# Altium PCB LimeKEY-RPCM_1v1.PcbDoc (part 4 of 8)
Units mm, origin at the board's own origin, x right, y up, seen from the top; angles counter-clockwise.
Board outline 170 x 110 mm, 6 copper layers (Top, L2, L3, L4, L5, Bottom), stack 1.583 mm thick; 724 components, 437 nets, 3151 pads, 1373 vias.
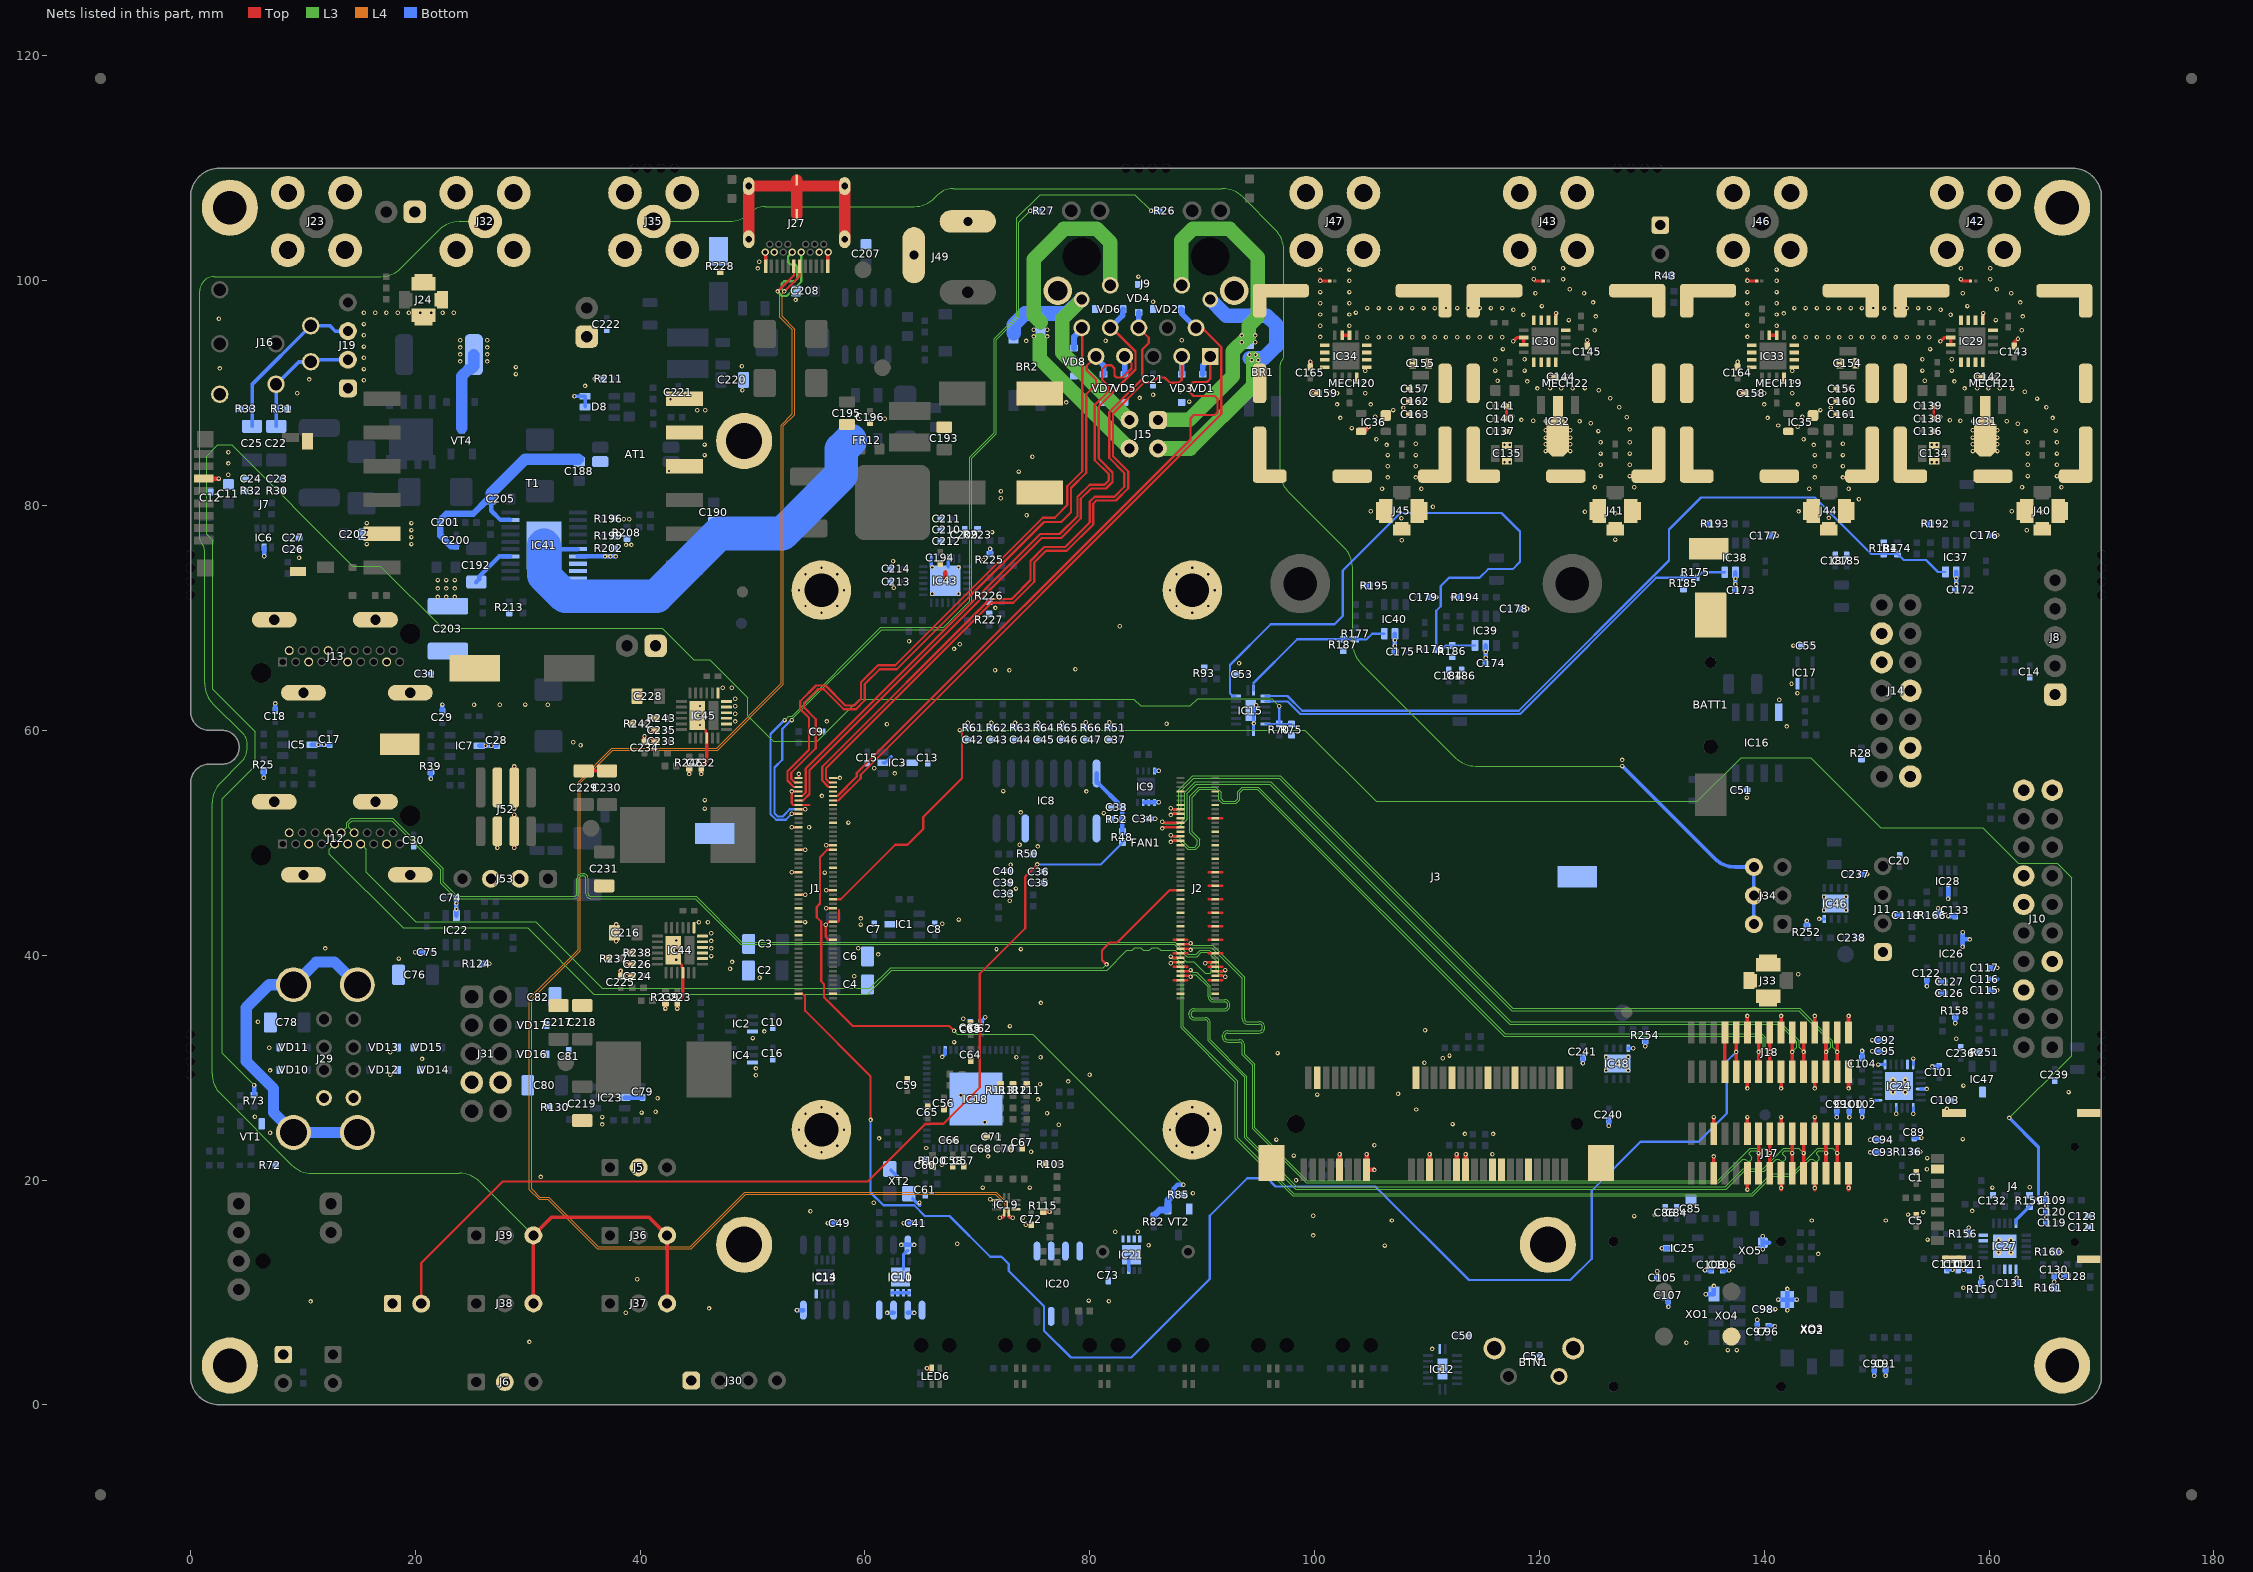
[diagram p8: the nets of this part, all layers, seen from the top]

## Part data (continued)
VT3: library part FDMS86250_NMOS, "MOSFET FET 150V 25.0 MOHM PQFN56", Continuous Drain Current (ID)=6.7A, Drain to Source Breakdown Voltage=150V, Drain to Source Resistance=33mR, Gate to Source Voltage (Vgs)=20V, Input Capacitance=2.33nF, Manufacturer="ON Semiconductor / Fairchild", Max Operating Temperature=150°C, Max Power Dissipation=2.5W, Min Operating Temperature=-55°C, Package Quantity=3000, Power Dissipation=96W, Supplier Part Number 1=512-FDMS86250, ComponentLink1Description=https://datasheet.ciiva.com/15043/fdms86250-15043510.pdf?src-supplier=Digi-Key, ComponentLink1URL=https://datasheet.ciiva.com/15043/fdms86250-15043510.pdf?src-supplier=Digi-Key, ComponentLink2Description=https://datasheet.ciiva.com/4440/fdms86250-103923-4440671.pdf?src-supplier=Mouser, ComponentLink2URL=https://datasheet.ciiva.com/4440/fdms86250-103923-4440671.pdf?src-supplier=Mouser, ComponentLink3Description=https://datasheet.ciiva.com/15043/fdms86250-15043511.pdf?src-supplier=Digi-Key, ComponentLink3URL=https://datasheet.ciiva.com/15043/fdms86250-15043511.pdf?src-supplier=Digi-Key, ComponentLink4Description=https://datasheet.ciiva.com/15043/fdms86250-15043512.pdf?src-supplier=Digi-Key, ComponentLink4URL=https://datasheet.ciiva.com/15043/fdms86250-15043512.pdf?src-supplier=Digi-Key, Drain to Source Voltage (Vdss)=150V, Element Configuration=Single, Fall Time=4.2ns, Height=1.05mm, Lead Free="Lead Free", Length=5mm, Manufacturer Part Number=FDMS86250, Manufacturer Part Number 1=FDMS86250, Mount="Surface Mount", Number of Elements=1, Number of Pins=8, Packaging="Tape and Reel", Part Description="MOSFET FET 150V 25.0 MOHM PQFN56", Pricing 1="1=2,77000, 10=2,50000, 50=2,36000, 100=2,01000, 1000=1,37000, 10000=1,32000 (USD)", Radiation Hardening=No, Rds On Max=25mR, Rise Time=4.3ns, RoHS=Yes, Stock 1=2961, Supplier 1=Mouser, Turn-Off Delay Time=22ns, Turn-On Delay Time=14ns, Weight=0.0681g, Width=6mm
VT4: library part BFT92,215_PNP, Case/Package=TO-236AB, Collector Base Voltage (VCBO)=20V, Collector Emitter Breakdown Voltage=15V, Continuous Collector Current=-25mA, Emitter Base Voltage (VEBO)=2V, Frequency=5GHz, Manufacturer="NXP Semiconductors", Manufacturer Part Number=BFT92215, Max Collector Current=25mA, Max Operating Temperature=175°C, Max Power Dissipation=300mW, Min Operating Temperature=-65°C, Package Quantity=1, Supplier Part Number 1=568-1655-1-ND, Collector Emitter Voltage (VCEO)=15V, ComponentLink1Description=https://datasheet.ciiva.com/29696/1323776-29696333.pdf?src-supplier=Jameco, ComponentLink1URL=https://datasheet.ciiva.com/29696/1323776-29696333.pdf?src-supplier=Jameco, ComponentLink2Description=https://datasheet.ciiva.com/965/bft92-cnv-965053.pdf?src-supplier=Digi-Key, ComponentLink2URL=https://datasheet.ciiva.com/965/bft92-cnv-965053.pdf?src-supplier=Digi-Key, ComponentLink3Description=https://datasheet.ciiva.com/6362/bft92-cnv-6362733.pdf?src-supplier=Digi-Key, ComponentLink3URL=https://datasheet.ciiva.com/6362/bft92-cnv-6362733.pdf?src-supplier=Digi-Key, ComponentLink4Description=https://datasheet.ciiva.com/965/bft92-cnv-965054.pdf?src-supplier=Digi-Key, ComponentLink4URL=https://datasheet.ciiva.com/965/bft92-cnv-965054.pdf?src-supplier=Digi-Key, ComponentLink5Description=https://datasheet.ciiva.com/16221/bft92-cnv-16221865.pdf?src-supplier=Future+Electronics, ComponentLink5URL=https://datasheet.ciiva.com/16221/bft92-cnv-16221865.pdf?src-supplier=Future+Electronics, ComponentLink6Description=https://datasheet.ciiva.com/11198/bft92-cnv-11198214.pdf?src-supplier=Avnet, ComponentLink6URL=https://datasheet.ciiva.com/11198/bft92-cnv-11198214.pdf?src-supplier=Avnet, ComponentLink7Description=https://datasheet.ciiva.com/11204/bft92-cnv-11204747.pdf?src-supplier=Avnet, ComponentLink7URL=https://datasheet.ciiva.com/11204/bft92-cnv-11204747.pdf?src-supplier=Avnet, ComponentLink8Description=https://datasheet.ciiva.com/11204/bft92-cnv-11204828.pdf?src-supplier=Avnet, ComponentLink8URL=https://datasheet.ciiva.com/11204/bft92-cnv-11204828.pdf?src-supplier=Avnet, Contact Plating=Tin, Element Configuration=Single, Gain=18dB, Gain Bandwidth Product=5GHz, Height=1mm, hFE Min=50, Lead Free="Lead Free", Length=3mm, Manufacturer Part Number 1=BFT92215, Max Breakdown Voltage=15V, Max Frequency=5GHz, Mount="Surface Mount", Number of Elements=1, Number of Pins=3, Output Power=300mW, Packaging="Tape and Reel", Part Description="RF TRANS PNP 15V 5GHZ TO236AB", Polarity=PNP, Power Dissipation=300mW, Radiation Hardening=No, REACH SVHC="No SVHC", RoHS=Yes, Series=-, Stock 1=0, Supplier 1=Digi-Key, Transition Frequency=5GHz, Weight=0.00709oz, Width=1.4mm
XO1: library part AOCJYR-10.000MHz, Frequency Nom, MHz=30.72, Frequency Stability +/-, ppb=20, Manufacturer=Rakon, Oscillator Case="SMD, 9.7mm x 7.5", Supplier Part Number 1=U7475LF, Supply Voltage Nom=3.3, Manufacturer Part Number 1="U7475LF 30.72MHz", Oscillator Output Compatibility=CMOS, Part Description="ROM9070SA 30.72MHz MERC+ 9x7 HOT RC2.5 3.3V PULL", Supplier 1=Rakon
XO2: library part RPT7050A, Manufacturer=Rakon, Manufacturer Part Number 1=E6245LF, Assembly Info=NF, Part Description="TCXO 30.72MHz, E6245LF", Supplier 1=Rakon, Supplier Part Number 1=E6245LF
XO3: library part TXCO, Manufacturer=Rakon, Manufacturer Part Number 1=E5280LF, Assembly Info=NF, Part Description="TCXO 30.72MHz, E5280LF", Supplier 1=Rakon, Supplier Part Number 1=E5280LF
XO4: library part Rakon_RTX5032A, Manufacturer=Rakon, Manufacturer Part Number 1=RTX5032A, Assembly Info=NF, Part Description="RTX5032A 40MHz, High performance TCXO, With VC, Filter Enabled, 10-pin 5mm x 3.2 mm x 1.65 mm package", Supplier 1=RAKON, Supplier Part Number 1=RTX5032A
XO5: library part ASVTX-12-A-38.400MHZ-H10-T_CRYSTAL, "Oscillator Crystal", Case/Package=SMD/SMT, Frequency=38.4MHz, Frequency Stability=1ppm, Manufacturer=Abracon, Manufacturer Part Number 1=ASVTX-12-A-38.400MHZ-H10-T, Max Operating Temperature=85°C, Max Supply Current=2.5mA, Min Operating Temperature=-30°C, Operating Supply Voltage=3V, Package Quantity=1000, Supplier Part Number 1=535-11790-1-ND, Assembly Info=NF, ComponentLink1Description=https://datasheet.ciiva.com/5466/astx12-asvtx12-8609-5466673.pdf?src-supplier=Mouser, ComponentLink1URL=https://datasheet.ciiva.com/5466/astx12-asvtx12-8609-5466673.pdf?src-supplier=Mouser, ComponentLink2Description=https://datasheet.ciiva.com/867/astx12-asvtx12-867453.pdf?src-supplier=Digi-Key, ComponentLink2URL=https://datasheet.ciiva.com/867/astx12-asvtx12-867453.pdf?src-supplier=Digi-Key, ComponentLink3Description=https://datasheet.ciiva.com/867/astx12-asvtx12-867454.pdf?src-supplier=Digi-Key, ComponentLink3URL=https://datasheet.ciiva.com/867/astx12-asvtx12-867454.pdf?src-supplier=Digi-Key, ComponentLink4Description=https://datasheet.ciiva.com/867/astx12-asvtx12-867455.pdf?src-supplier=Digi-Key, ComponentLink4URL=https://datasheet.ciiva.com/867/astx12-asvtx12-867455.pdf?src-supplier=Digi-Key, Height=0.035inch, Length=0.098inch, Mount="Surface Mount", Packaging="Tape and Reel", Part Description="38.4MHz VCTCXO Clipped Sine Wave Oscillator 3V  4-SMD, No Lead", Pricing 1="1 = 3,58000, 10 = 3,41000, 50 = 3,23960, 100 = 2,89850, 500 = 2,72800 (USD)", RoHS=Yes, Stock 1=1680, Supplier 1=Digi-Key, Termination=SMD/SMT, Width=0.079inch
XT1: library part CRYSTAL_2PIN_RTC_RT3215, Manufacturer="Raltron Electronics", Manufacturer Part Number 1=RT3215-32.768-12.5-TR-10PPM, Supplier Part Number 1=2151-RT3215-32.768-12.5-TR-10PPMTR-ND, ComponentLink1Description=https://datasheet.octopart.com/RT3215-32.768-12.5-TR-10PPM-Raltron-Electronics-datasheet-12522443.pdf?src-supplier=Future+Electronics, ComponentLink1URL=https://datasheet.octopart.com/RT3215-32.768-12.5-TR-10PPM-Raltron-Electronics-datasheet-12522443.pdf?src-supplier=Future+Electronics, ComponentLink2Description=https://datasheet.octopart.com/RT3215-32.768-12.5-TR-10PPM-Raltron-Electronics-datasheet-62112304.pdf?src-supplier=Future+Electronics, ComponentLink2URL=https://datasheet.octopart.com/RT3215-32.768-12.5-TR-10PPM-Raltron-Electronics-datasheet-62112304.pdf?src-supplier=Future+Electronics, ComponentLink3Description=https://datasheet.octopart.com/RT3215-32.768-12.5-TR-10PPM-Raltron-Electronics-datasheet-82614827.pdf?src-supplier=Future+Electronics, ComponentLink3URL=https://datasheet.octopart.com/RT3215-32.768-12.5-TR-10PPM-Raltron-Electronics-datasheet-82614827.pdf?src-supplier=Future+Electronics, Lead Free="Lead Free", Part Description="32.768 kHz ±10ppm Crystal 12.5pF 70 kOhms 2-SMD, No Lead", Pricing 1="3000=0,39875, 6000=0,38500, 15000=0,37125 (USD)", RoHS Compliant=Yes, Stock 1=21000, Supplier 1=Digi-Key
XT2: library part CRYSTAL_19M2, "Oscillator Crystal 25 MHz", Manufacturer=Abracon, Manufacturer Part Number 1=ABM8-24.000MHZ-D1G-T, Supplier Part Number 1=535-14395-1-ND, ComponentLink1Description=https://abracon.com/Resonators/abm8.pdf?src-supplier=Digi-Key, ComponentLink1URL=https://abracon.com/Resonators/abm8.pdf?src-supplier=Digi-Key, Part Description="24 MHz ±10ppm Crystal 18pF 50 Ohms 4-SMD, No Lead", Pricing 1="1=0,47000, 10=0,39100, 50=0,35220, 100=0,31310, 500=0,29744 (USD)", RoHS=Yes, RoHS Compliant=Yes, Stock 1=15503, Supplier 1=Digi-Key

## Free pads (board coordinates)
  round 0.8 hole 0.8 unplated: 0(0,29.375) 0(0,30.55) 0(0,31.75) 0(0,32.95) 0(0,72.05) 0(0,73.25) 0(0,74.45) 0(0,75.625) 0(39.475,110) 0(40.65,110) 0(41.85,110) 0(43.05,110) 0(83.212,110) 0(84.387,110) 0(85.587,110) 0(86.788,110) 0(126.95,110) 0(128.15,110) 0(129.35,110) 0(130.525,110) 0(170,29.375) 0(170,30.55) 0(170,31.75) 0(170,32.95) 0(170,72.05) 0(170,73.25) 0(170,74.45) 0(170,75.625)
  round 5.3 hole 3 mask+0.05: 1(56.125,24.475) 1(56.125,72.475) 1(89.125,24.475) 1(89.125,72.475)

## Via types
v1: diameter 0.4, hole 0.2, Top to Bottom, tented both sides, 1353 vias
v2: diameter 0.5, hole 0.2, Top to Bottom, tented both sides, 20 vias

## Nets (pads, with @x,y where several pads share a name; then routed paths per layer and width w, separated by ;. In a path a pad name is that pad's centre, name@x,y a point inside that pad or via, vN(x,y) a via of type N, cw(c..) or ccw(c..) an arc to the next point about the centre after c; other vN are vias at no path point)
ADC_USR: J20.2 R48.1 | length 90.1
  Top w0.2: J20.2@20.52,9 20.52,12.62 27.775,19.875 60.25,19.875 65.375,25 66.975,25 70.2,28.225 70.2,38.35 74.25,42.4 74.25,47 v1(75.325,48.075)
  Bottom w0.2: v1(75.325,48.075) 80.975,48.075 R48.1@82.9,50
ADC_USR_DIV: C38.1 IC8.8 R48.2 R52.1 | length 6.2
  Bottom w0.4: IC8.8@80.603,56.177 80.603,55.358 80.692,55.358 82.8,53.25 82.8,53.2 82.85,53.15 C38.1@82.9,53.15 R52.1@82.9,52.1 R48.2@82.9,51
ADF_MUXOUT: IC27.15 J1.56 R159.1 | length 163.4
  Top w0.2: J1.56@57.165,44.975 57.851,44.975 62.701,49.825 63.774,49.825 65.175,51.226 65.175,52.299 68.625,55.749 68.625,59.825 v1(68.425,60.025)
  L3 w0.1: v1(68.425,60.025) 99.142,60.025 105.467,53.7 134.059,53.7 137.934,57.575 144.119,57.575 150.344,51.35 155.809,51.35 159.45,51.35 162.6,48.2 166.05,48.2 167.35,46.9 167.35,31.075 v1(161.8,25.525)
  Bottom w0.3: v1(161.8,25.525) 164.4,22.925 164.4,18.45 R159.1@163.6,17.65 162.4,16.45 IC27.15@162.4,16.15
AUDIO_L: C22.1 J16.2 J16.5 J19.2 R31.1 | length 11
  Bottom w0.325: C22.1@7.625,87.05 R31.1@7.625,88.6 7.625,90.775 9.628,92.778 10.678,92.778 J16.5@10.7,92.8 10.879,92.979 J19.2@14,92.979
AUDIO_R: C25.1 J16.3 J19.3 R33.2 | length 14.6
  Bottom w0.325: C25.1@5.475,87.05 5.475,90.775 J16.3@10.7,96 12.4,96 12.879,95.521 J19.3@14,95.521
BUZZER: J1.34 R82.1 R85.1 VT2.G | length 57.8
  Top w0.2: J1.34@57.165,49.375 56.65,49.375 55.995,48.72 55.995,44.595 55.7,44.3 55.7,43.375 56.1,42.975 56.1,37.674 56.35,37.424 56.35,36.257 58.907,33.7 67.5,33.7 v1(67.925,33.275)
  L3 w0.1: v1(67.925,33.275) 68.225,32.975 74.925,32.975 v1(88.325,19.575)
  Bottom w0.4: R85.1@87.41,18.69 87.41,19.185 87.8,19.575 v1(88.325,19.575)
  Bottom w0.6: R82.1@85.685,16.79 86.224,17.329 86.9,17.329 86.953,17.383 86.953,18.233 R85.1@87.41,18.69
CAM1_CLK_N: J2.27 J18.8 | length 75.8
  Top w0.2: v1(87.2,50.675) 87.3,50.575 J2.27@88.085,50.575
  Top w0.325: J18.8@140.5,29.625 v1(140.5,31.4) J18.8@140.5,33.125
  L3 w0.1: v1@87.209,50.675 87.409,50.475 87.933,50.475 88.783,49.625 89.325,49.625 89.575,49.875 89.575,50.225 88.9,50.9 88.9,54.158 89.692,54.95 91.208,54.95 91.675,54.483 91.675,53.908 91.883,53.7 92.925,53.7 93.15,53.925 93.15,54.55 93.55,54.95 95,54.95 116.95,33 139.8,33 140.1,32.7 140.1,31.8 v1(140.5,31.4)
CAM1_CLK_P: J2.29 J18.9 | length 75.5
  Top w0.2: v1(87.2,50.075) 87.3,50.175 J2.29@88.085,50.175
  Top w0.325: J18.9@139.5,29.625 v1(139.5,31.4) J18.9@139.5,33.125
  L3 w0.1: v1@87.209,50.075 87.409,50.275 87.85,50.275 88.7,49.425 89.408,49.425 89.775,49.792 89.775,50.308 89.1,50.983 89.1,54.075 89.775,54.75 91.125,54.75 91.475,54.4 91.475,53.825 91.8,53.5 93.008,53.5 93.35,53.842 93.35,54.467 93.633,54.75 94.917,54.75 99.907,49.76 116.867,32.8 139.717,32.8 139.9,32.617 139.9,31.8 v1(139.5,31.4)
CAM1_D0_N: J2.15 J18.2 | length 76.5
  Top w0.2: v1(87.2,53.075) 87.3,52.975 J2.15@88.085,52.975
  Top w0.325: J18.2@146.5,29.625 v1(146.5,31.4) J18.2@146.5,33.125
  L3 w0.1: v1@87.209,53.075 87.409,52.875 87.725,52.875 87.925,53.075 87.925,54.725 89.15,55.95 96.935,55.95 117.61,35.275 143.175,35.275 146.1,32.35 146.1,31.8 v1(146.5,31.4)
CAM1_D0_P: J2.17 J18.3 | length 76.2
  Top w0.2: v1(87.2,52.475) 87.3,52.575 J2.17@88.085,52.575
  Top w0.325: J18.3@145.5,29.625 v1(145.5,31.4) J18.3@145.5,33.125
  L3 w0.1: v1@87.209,52.475 87.409,52.675 87.808,52.675 88.125,52.992 88.125,54.642 89.233,55.75 96.852,55.75 117.527,35.075 143.092,35.075 145.9,32.267 145.9,31.8 v1(145.5,31.4)
CAM1_D1_N: J2.21 J18.5 | length 75.5
  Top w0.2: v1(86.45,51.875) 86.55,51.775 J2.21@88.085,51.775
  Top w0.325: J18.5@143.5,29.625 v1(143.5,31.4) J18.5@143.5,33.125
  L3 w0.1: v1@86.459,51.875 86.659,51.675 87.925,51.675 88.45,52.2 88.45,54.483 89.392,55.425 96.085,55.425 117.435,34.075 141.4,34.075 143.1,32.375 143.1,31.8 v1(143.5,31.4)
CAM1_D1_P: J2.23 J18.6 | length 75.1
  Top w0.2: v1(86.45,51.275) 86.55,51.375 J2.23@88.085,51.375
  Top w0.325: J18.6@142.5,29.625 v1(142.5,31.4) J18.6@142.5,33.125
  L3 w0.1: v1@86.459,51.275 86.659,51.475 88.008,51.475 88.65,52.117 88.65,52.6 88.65,54.4 89.475,55.225 96.002,55.225 117.352,33.875 141.317,33.875 142.9,32.292 142.9,31.8 v1(142.5,31.4)
CAM1_GPIO0: J1.97 J18.11 | length 137.1
  Top w0.2: J1.97@54.085,36.575 54.425,36.575 54.675,36.325 54.675,35.05 60.5,29.225 v1(60.5,25.35)
  Top w0.325: J18.11@137.5,29.625 v1(137.5,31.4) J18.11@137.5,33.125
  Bottom w0.2: v1(60.5,25.35) 60.5,18.9 61.65,17.75 64.375,17.75 65.325,16.8 67.525,16.8 71.15,13.175 72.15,13.175 72.8,12.525 72.8,11.9 75.925,8.775 75.925,6.6 78.323,4.202 83.677,4.202 90.675,11.2 90.675,16.825 94,20.15 95.8,20.15 96.525,19.425 105.4,19.425 113.725,11.1 122.75,11.1 124.65,13 124.65,19.05 129,23.4 134.15,23.4 136.675,25.925 136.675,30.575 v1(137.5,31.4)
CAM1_GPIO1: J18.12 | length 3.5
  Top w0.325: J18.12@136.5,29.625 136.5,31.4 J18.12@136.5,33.125
DSI1_CLK_N: J2.87 J17.5 | length 80.4
  Top w0.2: J2.87@88.085,38.575 88.87,38.575 v1(88.97,38.675)
  Top w0.325: J17.5@143.5,20.625 v1(143.5,22.4) J17.5@143.5,24.125
  L3 w0.1: v1(88.97,38.675) 88.979,38.675 89.179,38.475 89.508,38.475 90.05,37.933 90.725,37.258 90.725,36.31 ccw(c90.985,36.31) 90.985,36.05 92.003,36.05 cw(c92.003,35.59) 92.463,35.59 92.463,35.51 cw(c92.003,35.51) 92.003,35.05 89.279,35.05 ccw(c89.279,34.79) 89.019,34.79 89.019,34.71 ccw(c89.279,34.71) 89.279,34.45 90.265,34.45 cw(c90.265,33.99) 90.725,33.99 90.725,32.458 93.975,29.208 93.975,23.85 98.425,19.4 136.525,19.4 138.125,21 139.925,21 141.75,22.825 143.075,22.825 v1(143.5,22.4)
DSI1_CLK_P: J2.89 J17.6 | length 80.2
  Top w0.2: J2.89@88.085,38.175 88.87,38.175 v1(88.97,38.075)
  Top w0.325: J17.6@142.5,20.625 v1(142.5,22.4) J17.6@142.5,24.125
  L3 w0.1: v1(88.97,38.075) 88.979,38.075 89.179,38.275 89.425,38.275 90.525,37.175 90.525,36.31 ccw(c90.985,36.31) 90.985,35.85 92.003,35.85 cw(c92.003,35.59) 92.263,35.59 92.263,35.51 cw(c92.003,35.51) 92.003,35.25 89.279,35.25 ccw(c89.279,34.79) 88.819,34.79 88.819,34.71 ccw(c89.279,34.71) 89.279,34.25 90.265,34.25 cw(c90.265,33.99) 90.525,33.99 90.525,32.375 93.775,29.125 93.775,23.767 98.342,19.2 136.608,19.2 138.208,20.8 140.008,20.8 141.079,21.871 141.304,21.871 141.525,21.65 141.7,21.65 141.9,21.85 141.9,22.025 141.65,22.275 141.65,22.442 141.833,22.625 142.275,22.625 v1(142.5,22.4)
DSI1_D0_N: J2.75 J17.8 | length 79.6
  Top w0.2: J2.75@88.085,40.975 88.87,40.975 v1(88.97,41.075)
  Top w0.325: J17.8@140.5,20.625 v1(140.5,22.4) J17.8@140.5,24.125
  L3 w0.1: v1@88.961,41.075 v1(88.97,41.075) 89.17,40.875 90.933,40.875 93.775,38.033 93.775,34.335 ccw(c94.035,34.335) 94.035,34.075 95.093,34.075 cw(c95.093,33.615) 95.553,33.615 95.553,33.535 cw(c95.093,33.535) 95.093,33.075 92.257,33.075 ccw(c92.257,32.815) 91.997,32.815 91.997,32.735 ccw(c92.257,32.735) 92.257,32.475 93.315,32.475 cw(c93.315,32.015) 93.775,32.015 93.775,31.208 94.675,30.308 94.675,24.633 99.358,19.95 135.875,19.95 138.75,22.825 140.075,22.825 v1(140.5,22.4)
DSI1_D0_P: J2.77 J17.9 | length 79.4
  Top w0.2: J2.77@88.085,40.575 88.87,40.575 v1(88.97,40.475)
  Top w0.325: J17.9@139.5,20.625 v1(139.5,22.4) J17.9@139.5,24.125
  L3 w0.1: v1@88.961,40.475 v1(88.97,40.475) 89.17,40.675 90.85,40.675 93.575,37.95 93.575,34.335 ccw(c94.035,34.335) 94.035,33.875 95.093,33.875 cw(c95.093,33.615) 95.353,33.615 95.353,33.535 cw(c95.093,33.535) 95.093,33.275 92.257,33.275 ccw(c92.257,32.815) 91.797,32.815 91.797,32.735 ccw(c92.257,32.735) 92.257,32.275 93.315,32.275 cw(c93.315,32.015) 93.575,32.015 93.575,31.125 94.475,30.225 94.475,24.55 99.275,19.75 135.958,19.75 138.079,21.871 138.304,21.871 138.525,21.65 138.7,21.65 138.9,21.85 138.9,22.025 138.65,22.275 138.65,22.442 138.833,22.625 139.275,22.625 v1(139.5,22.4)
DSI1_D1_N: J2.81 J17.2 | length 80.4
  Top w0.2: v1(87.2,39.875) 87.3,39.775 J2.81@88.085,39.775
  Top w0.325: J17.2@146.5,20.625 v1(146.5,22.4) J17.2@146.5,24.125
  L3 w0.1: v1@87.191,39.875 v1(87.2,39.875) 87.4,39.675 87.729,39.675 88.325,39.079 88.325,33.625 93.15,28.8 93.15,23.775 98.125,18.8 138.892,18.8 140.642,20.55 142.475,20.55 144.75,22.825 146.075,22.825 v1(146.5,22.4)
DSI1_D1_P: J2.83 J17.3 | length 80.2
  Top w0.2: v1(87.2,39.275) 87.3,39.375 J2.83@88.085,39.375
  Top w0.325: J17.3@145.5,20.625 v1(145.5,22.4) J17.3@145.5,24.125
  L3 w0.1: v1@87.191,39.275 v1(87.2,39.275) 87.4,39.475 87.646,39.475 88.125,38.996 88.125,33.542 92.95,28.717 92.95,23.692 98.042,18.6 138.975,18.6 140.725,20.35 142.558,20.35 144.079,21.871 144.304,21.871 144.525,21.65 144.7,21.65 144.9,21.85 144.9,22.025 144.65,22.275 144.65,22.442 144.833,22.625 145.275,22.625 v1(145.5,22.4)
EN_RXA_LNA: IC15.1 IC40.3 R177.2 R187.1 | length 14.1
  Bottom w0.2: IC15.1@94.564,63.57 94.564,64.214 98.45,68.1 R187.1@102.55,68.1 104.625,68.1 105.125,68.6 IC40.3@106.2,68.6
EN_RXB_LNA: IC15.3 IC38.3 R175.2 R185.1 | length 46.6
  Bottom w0.2: IC15.3@95.614,62.57 97.605,62.57 98.725,61.45 107.749,61.45 118.274,61.45 118.45,61.626 130.399,73.575 R185.1@132.825,73.575 133.975,73.575 134.472,74.072 IC38.3@136.487,74.072
EN_TXA_PA: IC15.15 IC39.3 R176.2 R186.1 | length 57.7
  Bottom w0.2: IC15.15@93.014,63.07 92.705,63.07 92.475,63.3 92.475,65.825 96.1,69.45 101.775,69.45 102.5,70.175 102.5,74.225 107.625,79.35 116.625,79.35 118.275,77.7 118.275,75 117.623,74.348 115.448,74.348 114.675,73.575 111.95,73.575 111.225,72.85 111.225,71.05 110.825,70.65 R176.2@110.825,67.2 111.325,67.2 111.685,67.56 IC39.3@114.277,67.56
EN_TXB_PA: IC15.2 IC37.3 R174.2 R184.1 | length 73.3
  Bottom w0.2: IC15.2@95.614,63.07 97.58,63.07 98.9,61.75 107.625,61.75 118.15,61.75 131.525,75.125 131.525,77.875 134.375,80.725 144.5,80.725 149.525,75.7 R184.1@150.625,75.7 R174.2@151.85,75.7 152.4,75.15 154.4,75.15 155.45,74.1 IC37.3@156.125,74.1
ETH_LED_G: J1.17 R26.2 | length 82.6
  Top w0.2: v1(53.475,52.575) J1.17@54.085,52.575
  L3 w0.1: v1(52.85,60.925) 53.2,61.275 53.517,61.275 61.417,69.175 67,69.175 69.3,71.475 69.3,84.291 71.5,86.491 71.5,94.858 73.5,96.858 73.5,105.6 75.575,107.675 84,107.675 v1(85.45,106.225)
  Bottom w0.2: v1(52.85,60.925) 51.6,59.675 51.6,52.55 52.1,52.05 52.95,52.05 v1(53.475,52.575)
  Bottom w0.4: v1(85.45,106.225) R26.2@86.15,106.225
ETH_LED_Y: J1.15 R27.2 | length 70.7
  Top w0.2: J1.15@54.085,52.975 v1(54.695,52.975)
  L3 w0.1: v1@53.462,60.938 61.5,68.975 67.083,68.975 69.5,71.392 69.5,84.208 71.7,86.408 71.7,94.775 73.7,96.775 73.7,105.225 v1(74.7,106.225)
  Bottom w0.2: v1@53.462,60.938 52.65,60.125 52.65,57.4 51.95,56.7 51.95,52.634 52.234,52.35 52.675,52.35 53.3,52.975 v1(54.695,52.975)
  Bottom w0.4: v1(74.7,106.225) R27.2@75.4,106.225
  other v1: 53.475,60.925
ETH_TRD0_N: J1.12 J9.2 VD2.A | length 60.1
  Top w0.2: J1.12@57.165,53.775 57.639,53.775 59.615,55.751 59.615,56.065 91.7,88.15 91.7,94.1 89.985,95.815 J9.2@89.445,95.815
  Bottom w0.5: VD2.A@88.15,97.475 88.2,97.425 88.2,97.06 J9.2@89.445,95.815
ETH_TRD0_P: J1.10 J9.1 VD1.A | length 59.9
  Top w0.2: J1.10@57.165,54.175 57.558,54.175 59.275,55.892 59.275,56.206 88.95,85.881 88.95,87.75 89.25,88.05 91.119,88.05 91.36,88.291 91.36,89.515 91.125,89.75 89.225,89.75 88.9,90.075 88.9,90.675 89.225,91 90.425,91 90.715,91.29 J9.1@90.715,93.275
  Bottom w0.5: VD1.A@90.045,91.675 90.045,92.478 J9.1@90.715,93.148
ETH_TRD1_N: J1.6 J9.6 VD4.A | length 59.6
  Top w0.2: J1.6@57.165,54.975 56.751,54.975 56.19,55.536 56.19,56.771 71.119,71.7 73.05,71.7 74.725,73.375 74.725,75.081 75.959,76.315 77.815,76.315 80,78.5 80,80.356 80.434,80.79 82.19,80.79 83.075,81.675 83.075,82.9 81.725,84.25 81.725,88.331 84.659,91.265 84.659,93.884 85.25,94.475 85.25,94.93 J9.6@84.365,95.815
  Bottom w0.5: VD4.A@84.35,97.175 84.357,97.167 J9.6@84.357,95.822
ETH_TRD1_P: J1.4 J9.3 VD3.A | length 59.6
  Top w0.2: J1.4@57.165,55.375 56.832,55.375 56.53,55.677 56.53,56.63 71.26,71.36 73.191,71.36 75.065,73.234 75.065,74.94 76.1,75.975 77.956,75.975 80.3,78.319 80.3,80.175 80.575,80.45 82.331,80.45 83.415,81.534 83.415,83.041 82.065,84.391 82.065,88.19 84.8,90.925 85.575,90.925 86.05,91.4 86.65,91.4 87.125,90.925 87.9,90.925 88.175,91.2 J9.3@88.175,93.275
  Bottom w0.5: VD3.A@88.175,91.675 J9.3@88.175,93.275
ETH_TRD2_N: J1.11 J9.8 VD6.A | length 60.6
  Top w0.2: J1.11@54.085,53.775 54.499,53.775 55.06,54.336 55.06,56.46 75.725,77.125 77.45,77.125 79.2,78.875 79.2,80.6 80.125,81.525 81.45,81.525 82.025,82.1 82.025,82.95 80.79,84.185 80.79,88.815 84.075,92.1 84.075,93.7 J9.8@81.893,95.882
  Bottom w0.5: J9.8@81.825,95.815 82.925,96.915 82.925,97.425 VD6.A@82.975,97.475
ETH_TRD2_P: J1.9 J9.7 VD5.A | length 59.4
  Top w0.2: J1.9@54.085,54.175 54.418,54.175 54.72,54.477 54.72,56.601 75.584,77.465 77.309,77.465 78.9,79.056 78.9,80.781 79.984,81.865 81.309,81.865 81.685,82.241 81.685,82.809 80.45,84.044 80.45,88.956 81.675,90.181 81.675,90.625 81.111,91.189 81.111,92.136 81.45,92.475 81.925,92.475 82.2,92.2 82.2,91.575 82.375,91.4 82.894,91.4 83.7,92.206 83.7,92.67 J9.7@83.095,93.275
  Bottom w0.5: J9.7@83.095,93.275 83.1,93.27 VD5.A@83.1,91.675
ETH_TRD3_N: J1.5 J9.10 VD8.A | length 60.8
  Top w0.2: J1.5@54.085,54.975 53.671,54.975 53.11,55.536 53.11,56.369 55.025,58.284 55.025,61.119 54.25,61.894 54.25,62.6 55.65,64 56.481,64 58.256,62.225 59.05,62.225 59.65,62.825 59.65,64.275 61.165,65.79 62.69,65.79 75.825,78.925 76.875,78.925 78,80.05 78,81.731 79.335,83.066 J9.10@79.335,95.5
  Bottom w0.5: VD8.A@78.6,94.025 78.6,95.018 79.285,95.703 J9.10@79.285,95.815
ETH_TRD3_P: J1.3 J9.9 VD7.A | length 59.2
  Top w0.2: J1.3@54.085,55.375 53.752,55.375 53.45,55.677 53.45,56.228 55.625,58.403 55.625,61 54.59,62.035 54.59,62.459 55.791,63.66 56.34,63.66 58.115,61.885 59.191,61.885 59.99,62.684 59.99,64.134 61.306,65.45 62.831,65.45 75.931,78.55 77.456,78.55 78.325,79.419 78.325,81.575 79.675,82.925 79.675,89.9 80.555,90.78 80.555,91.195 79.725,92.025 79.725,92.445 J9.9@80.555,93.275
  Bottom w0.5: J9.9@80.555,93.148 81.225,92.478 VD7.A@81.225,91.675
ETH_VC1: BR1.4 J9.11 J15.2 | length 24.7
  L3 w1.3: J15.2@86.071,85.079 88.929,85.079 94.525,90.675 v1@94.525,93.1 ; J9.11@90.715,98.335 J9.11@90.736,98.314
  Bottom w1.3: J9.11@90.715,98.335 92.15,96.9 95.75,96.9 96.575,96.075 BR1.4@96.575,94.85 96.575,94.2 95.475,93.1 94.225,93.1
  other v1: 94.4,92.95 94.975,92.95 94.2,93.425 94.75,93.425
ETH_VC2: BR1.3 J9.12 J15.1 | length 31.7
  L3 w1.3: J15.1@86.071,87.621 88.846,87.621 92.725,91.5 92.725,93.725 93.95,94.95 ; J9.12@88.125,99.79 88.125,103.61 89.15,104.635 92.425,104.635 94.95,102.11 94.95,96.81 94.125,95.985 94.125,95.035
  other v1: 93.525,94.535 94.725,94.535 93.525,95.135 94.725,95.135
ETH_VC3: BR2.4 J9.13 J15.4 | length 31.1
  L3 w1.3: 75.563,94.7 75.563,93.045 J15.4@83.529,85.079 ; 75.625,96.3 75,96.925 75,101.925 77.71,104.635 80.615,104.635 81.825,103.425 J9.13@81.825,99.605
  other v1: 75.025,95.05 76.225,95.05 75.025,95.65 76.225,95.65
ETH_VC4: BR2.3 J9.14 J15.3 | length 21.6
  L3 w1.3: J9.14@79.285,98.335 77.55,96.6 77.55,93.6 J15.3@83.529,87.621
  Bottom w1.3: BR2.3@73.225,95.35 73.225,96.075 74.24,97.09 78.011,97.09 79.256,98.335 J9.14@79.285,98.335
EXT_SYNC_IN: J32.1 J36.3 J37.3 J38.3 J39.3 | length 160.3
  Top w0.325: J38.3@30.499,9.025 J39.3@30.499,15.075 32.099,16.675 40.799,16.675 J36.3@42.399,15.075 J37.3@42.399,9.025
  L3 w0.1: J32.1@26.2,105.275 23.927,105.275 ccw(c23.927,102.735) 22.131,104.531 18.719,101.119 cw(c16.923,102.915) 16.923,100.375 2.102,100.375 ccw(c2.102,99.098) 0.825,99.098 0.825,77.058 ccw(c1.508,77.058) 1.025,76.575 cw(c0.482,76.032) 1.25,76.032 1.25,64.177 ccw(c3.79,64.177) 1.994,62.381 4.643,59.732 cw(c3.662,58.75) 5.05,58.75 5.05,58.518 cw(c3.135,58.518) 4.489,57.164 2.669,55.344 ccw(c4.465,53.548) 1.925,53.548 1.925,29.452 ccw(c4.465,29.452) 2.669,27.656 8.981,21.344 ccw(c10.777,23.14) 10.777,20.6 23.922,20.6 cw(c23.922,18.06) 25.718,19.856 J39.3@30.499,15.075
EXT_SYNC_OUT: J34.2 J34.4 J34.6 J35.1 | length 146.4
  L3 w0.1: J35.1@41.2,105.275 47.923,105.275 ccw(c47.923,107.815) 49.719,106.019 cw(c51.122,104.616) 51.122,106.6 64.373,106.6 ccw(c64.373,109.14) 66.169,107.344 66.425,107.6 cw(c67.874,106.151) 67.874,108.2 91.798,108.2 cw(c91.798,105.66) 93.594,107.456 96.506,104.544 cw(c94.71,102.748) 97.25,102.748 97.25,93.252 cw(c96.823,93.252) 97.125,92.95 97.075,92.9 ccw(c97.437,92.538) 96.925,92.538 96.925,83.027 ccw(c99.465,83.027) 97.669,81.231 102.631,76.269 cw(c100.835,74.473) 103.375,74.473 103.375,67.777 ccw(c105.915,67.777) 104.119,65.981 112.531,57.569 ccw(c114.327,59.365) 114.327,56.825 v1(127.375,56.825) v1@127.434,56.825
  Bottom w0.325: v1(127.375,56.825) 135.61,48.59 ccw(c137.406,50.386) 137.406,47.846 J34.6@139.079,47.846 J34.2@139.079,42.761
EXT_USB_D_N: IC19.6 J27.A7 J27.B7 | length 153
  Top w0.2: v1(52.225,99.05) 53.675,100.5 J27.A7@53.675,101.295 ; v1(72,16.65) 72.275,16.65 72.365,16.74 72.365,17.14 IC19.6@72.375,17.15
  L3 w0.2: v1(52.225,99.05) 52.625,98.65 53.05,98.65 54.325,99.925 J27.B7@54.325,102.545